# Allegro board IMX7D EVK BOARD REV D_160314.brd (continued)
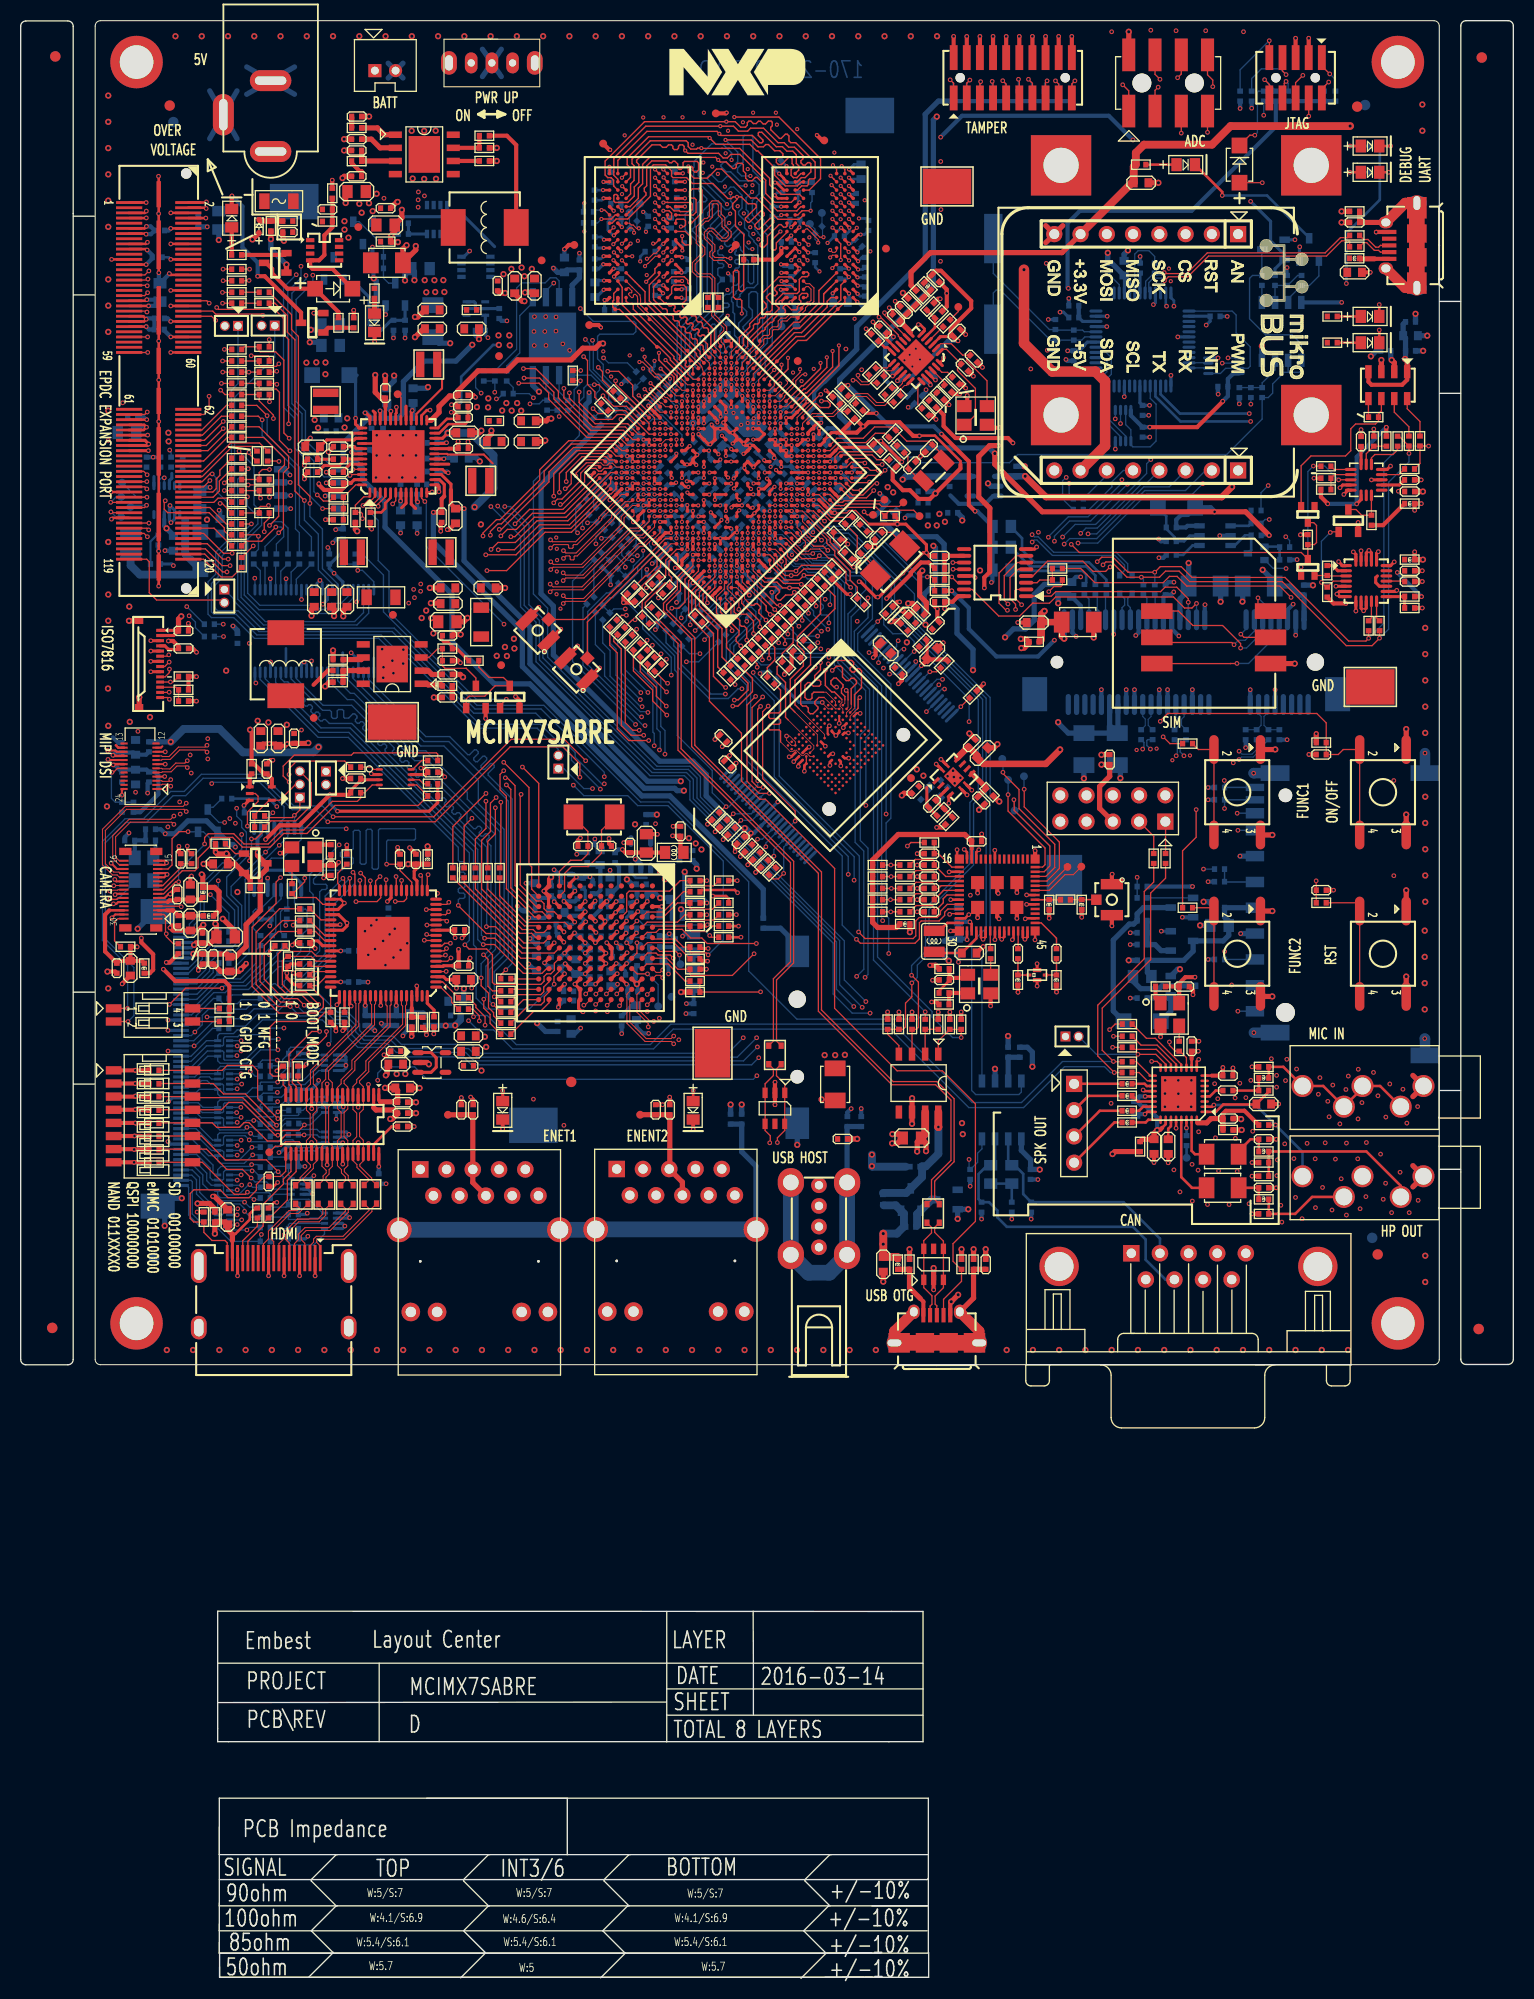
[diagram p0: board, top side]
## Routing (per net, layer and track width the routed paths; a pad name or vN(x,y) marks a point on that pad's centre or on a via; arc(x,y) is an arc through that point) (continued)
N21114148: length 5.2
  BOTTOM w0.203: U43.11 13.39,139.69 R625.2 13.19,139.61 12.56,138.98 R624.1
N21201870: length 5.5
  L3_INT_1 w0.127: v1(14.41,147.82) 14.41,145.66 v1(13.89,145.14)
  BOTTOM w0.127: U43.2 13.39,144.89 13.64,145.14 v1(13.89,145.14) U43.3 ; R628.1 14.55,147.69 v1(14.41,147.82)
N21457603: length 4.6
  BOTTOM w0.305: 43.98,161.51 Q35.2 R615.2 ; 43.98,161.51 43.98,162.05 43.86,162.16 Q35.6 ; 43.98,161.51 Q35.5
N21457781: length 12.4
  L3_INT_1 w0.305: v1(45.2,158.69) 45.2,165.3 v1(43.42,167.07)
  BOTTOM w0.305: Q35.3 44.94,160.85 R616.1 44.94,158.95 v1(45.2,158.69) ; v1(43.42,167.07) 42.87,166.53 Q34.4
N21736604: length 2.7
  BOTTOM w0.104: J8.23 112.53,122.04 112.28,121.79 112.28,121.21 R124.2
N21822744: length 1.8
  TOP w0.127: U45.6 38.57,115.93 38.96,115.55 R640.1
N21830226: length 1.6
  TOP w0.305: v1(53.59,102.17) 53.58,102.18 53.58,102.19 U31.J4
  BOTTOM w0.305: R642.2 53.36,101.95 v1(53.59,102.17)
N21831023: length 3.2
  TOP w0.305: U31.J3 52.6,104.17 v1(52.54,104.17)
  BOTTOM w0.406: R494.2 53.61,104.17 v1(52.54,104.17) 52.54,104.71 R643.2
N21832184: length 1.6
  TOP w0.406: U31.H4 v1(54.61,103.16)
  BOTTOM w0.406: R494.1 54.31,103.46 v1(54.61,103.16)
N21917857: length 6.2
  TOP w0.127: J30.19 9.36,117.04 8.98,116.66 v1(8.83,116.66)
  BOTTOM w0.127: v1(8.83,116.66) 8.77,116.6 8.77,114.14 9.16,113.76 C457.1 R631.2

## Copper pours and planes (outline as drawn; the poured copper is in the pictures)
5VIN on TOP: 25.83,172.77 25.83,170.62 26.03,170.41 26.03,167.65 25.87,167.48 25.26,167.48 24.98,167.2 24.98,166.46 25.13,166.31 28.54,166.31 28.54,168.93 29.25,169.64 29.25,171.9 28.14,173.01 26.06,173.01
5VIN_DC_JACK on TOP: 20.56,177.51 20.56,175.33 21.7,174.19 21.7,171.16 22.04,170.82 24.76,170.82 25.06,171.12 25.06,172.92 26.73,174.59 26.73,178.49 26.14,179.07 22.12,179.07
AVDDL_ENET on BOTTOM: 53.24,94.21 52.49,93.47 51.73,93.47 51.52,93.26 51.52,92.4 51.55,92.37 53.55,92.37 54.62,93.44 54.62,94.15 56.02,95.55 56.02,96.18 55.82,96.39 55.69,96.39 55.66,96.41 54.22,96.41 53.24,95.43
GND on BOTTOM (solid shape): 70.04,152.26 70.04,151.17 70.37,150.84 70.62,150.84 71.31,151.53 71.41,151.53 71.49,151.45 71.49,150.63 72.11,150.01 72.11,149.83 71.87,149.59 71.87,149.4 71.98,149.28 71.97,149.27 71.97,149.14 71.51,148.68 71.31,148.68 71.15,148.84 71.15,148.86 70.98,149.11 70.67,149.08 69.91,149.08 68.31,150.68 68.2,150.68 68,150.88 67.86,150.88 67.57,150.59 67.57,150.54 67.55,150.5 67.51,150.49 67.1,150.49 66.93,150.66 66.65,150.66 66.23,150.23 65.9,150.23 65.39,150.75 65.37,150.77 65.36,150.79 65.35,150.81 65.35,151.07 65.51,151.22 65.62,151.22 65.82,151.02 66.23,151.02 67.91,152.7 68.11,152.7 68.59,152.22 69.02,152.22 69.53,152.72 69.58,152.72
GND on TOP: 37.47,173.56 37.79,173.24 40.14,173.24 40.55,173.65 40.55,179.39 40.08,179.86 37.73,179.86 37.47,179.6
GND on TOP: 111.64,78.83 111.64,81.68 111.52,81.81 111.52,82.59 111.8,82.87 112.1,82.87 112.41,82.57 114.46,82.57 114.87,82.98 114.87,86.33 115.3,86.76 116.75,86.76 116.83,86.84 116.83,88.51 117.61,89.3 135.83,89.3 136.57,88.55 136.57,73.41 135.8,72.64 113.7,72.64 111.21,75.13 111.21,78.4
GND on TOP: 66.38,151.83 66.38,151.17 67.19,150.36 67.47,150.36 68.03,150.92 68.03,151.12 68.54,151.12 70.67,148.99 70.67,148.79 71.08,148.38 71.77,148.38 72.1,148.71 72.1,151.28 71.74,151.63 70.93,151.63 69.68,152.88 67.42,152.88
GND on TOP: 80.33,87.47 80.33,89.38 79.77,89.94 77.2,89.94 76.91,89.65 76.91,87.71 77.47,87.14 80.01,87.14
GND on TOP: 70.39,84.17 70.39,93.29 69.86,93.82 64.38,93.82 62.42,91.87 58.89,91.87 57.06,93.69 54.6,93.69 54.11,94.18 50.74,94.18 49.62,93.06 44.87,93.06 43.59,91.78 43.59,87.66 42.02,86.1 42.02,84.55 42.19,84.38 44.12,84.38 44.44,84.07 44.44,83.03 46.01,81.45 67.68,81.45
GND on TOP: 34.3,130.14 34.3,124.22 33.21,123.13 33.21,119.73 33.79,119.14 39.81,119.14 40.25,119.58 40.25,122.47 37.48,125.24 37.48,130.14
GND on TOP: 77.06,160.53 74.38,157.85 74.38,155.21 74.61,154.98 76.74,154.98 78.17,156.41 79.87,156.41 81.14,157.68 81.14,159.48 87.41,165.75 89.8,165.75 93.64,161.92 93.64,156.99 96.54,154.08 99.66,157.19 99.66,167.23 100.98,168.55 100.98,174.44 97.42,178 83.17,178 81.33,176.16 81.33,171.43 81.8,170.96 81.8,162.29 80.05,160.53
GND on TOP: 136.36,127.27 136.57,127.06 136.57,122.1 136.14,121.67 127.63,121.67 127.35,121.94 127.35,126.83 127.8,127.27
GND on BOTTOM: 56.87,149.99 57.97,151.1 58.33,151.1 59.28,150.15 59.29,150.11 59.28,150.08 58.68,149.48 58.68,149.46 58,148.79 57.52,148.79 56.87,149.43
GND on BOTTOM: 52.89,85.39 46.16,85.39 46.16,79.8 52.89,79.8
GND on BOTTOM: 59.52,140.72 59.35,140.54 58.75,140.54 58.26,141.03 58.26,141.31 58.6,141.65 58.64,141.67 58.67,141.65 58.86,141.65 59.52,140.99
GND on BOTTOM: 54.71,144.18 54.27,144.62 54.27,147.39 55.22,148.34 55.88,148.34 57.34,146.88 57.34,146.5 55.02,144.18
GND on BOTTOM: 33.61,150.02 33.61,144.46 33.77,144.29 39.28,144.29 39.44,144.46 39.44,150.05 39.31,150.18 33.77,150.18
GND on BOTTOM: 107.17,108.78 107.17,102.79 104.94,100.55 104.94,92.45 102.93,90.44 93.51,90.44 93.13,90.82 93.13,98.8 93.79,99.46 93.79,101.39 92.77,101.39 91.5,100.12 91.5,90.52 83.88,98.14 83.88,102.41 83.3,102.99 83.3,117.34 86.89,120.94 92.14,120.94 93.36,119.72 93.36,115.21 98.97,109.59 106.36,109.59 ; 1 cut-out
GND on BOTTOM: 7.84,111.58 7.84,188.72 86.14,188.72 86.96,187.9 86.96,158.59 80.89,152.52 77.84,152.52 75.91,154.45 75.91,156.81 79.84,160.75 81.93,160.75 82.97,161.79 82.97,175.86 81.75,177.08 73.6,177.08 71.23,179.44 67.75,179.44 64.5,176.19 52.79,176.19 47.7,171.1 43.31,171.1 42.94,171.47 42.94,173.07 42.38,173.63 37.83,173.63 37.53,173.32 37.53,171.04 37.27,170.78 33.97,170.78 33.13,171.62 32.17,171.62 13.6,153.05 13.6,150.29 13.11,149.79 13.11,147.61 12.64,147.14 11.7,147.14 10.78,146.22 10.78,140.86 10.58,140.66 9.51,140.66 9.33,140.48 9.33,136.34 10.76,134.92 13.55,134.92 13.88,134.59 13.88,120.74 12.46,120.74 11.62,119.91 11.62,119.5 11.54,119.42 9.66,119.42 9,118.76 9,117.8 9.69,117.11 11.97,117.11 12.69,116.4 12.69,115.16 11.99,115.16 11.99,114.26 9.05,111.32 8.1,111.32 ; 3 cut-outs
GND on BOTTOM: 17.49,102.61 17.49,110.31 16.5,111.3 10.37,111.3 8.67,109.59 8.67,105.96 8.69,105.95 8.69,102.16 9.41,101.44 16.32,101.44
GND on BOTTOM: 55.6,143.28 55.59,143.32 55.6,143.35 56.22,143.97 56.25,143.98 56.29,143.97 57.06,143.2 57.54,143.2 58,142.74 58,142.61 57.84,142.45 57.82,142.43 57.21,141.82 57.14,141.79 57.07,141.82
GND on BOTTOM: 29.69,149.38 29.79,149.48 29.79,151.43 29.55,151.66 28.03,151.66 27.72,151.35 27.72,149.8 28.15,149.38
GND on BOTTOM: 113.6,72.74 111.21,75.13 108.16,75.13 104.76,78.53 104.76,86.45 105.29,86.99 107.15,86.99 109.51,89.35 131.3,89.35 132.73,87.93 135.7,87.93 136.57,87.05 136.57,74.07 135.24,72.74
GND on L4_PWR_1: 9.73,59.99 7.84,61.87 7.84,77.48 8.73,78.36 9.08,78.36 16.74,70.71 28,70.71 37.58,80.28 102.34,80.28 115.24,93.19 115.24,98.74 116.48,99.98 120.71,99.98 121.96,101.23 121.96,175.12 109.85,187.23 53.17,187.23 49.66,183.72 42.91,183.72 40.03,180.85 21.68,180.85 18.14,177.31 13.42,177.31 9.43,173.32 9.43,158.42 10.86,156.99 10.86,103.7 11.31,103.24 11.31,97.78 8.62,95.09 8.16,95.09 7.84,95.41 7.84,188.63 9.09,188.63 9.18,188.72 134.46,188.72 136.53,186.65 136.53,62.11 134.41,59.99
GND on L5_PWR_2: 93.75,150.87 93.75,177.67 84.85,186.57 53.8,186.57 43.31,176.08 39.17,176.08 35.98,179.27 35.98,186.02 35.27,186.73 29.68,186.73 27.98,185.03 27.98,175.06 26.94,174.02 21.79,174.02 17.9,177.91 8.87,177.91 7.84,178.94 7.84,188.72 127.32,188.72 127.41,188.63 127.41,152.7 124.66,149.95 94.66,149.95
GND on L5_PWR_2: 8.17,59.99 7.84,60.32 7.84,76.61 8.51,77.28 9.31,77.28 12.65,73.94 29.23,73.94 35.34,80.04 80.83,80.04 82.59,78.29 89.52,78.29 90.4,77.4 90.4,75.39 91.43,74.36 119.43,74.36 121.38,76.31 121.38,88.12 135.68,102.42 136.57,102.42 136.57,60.24 136.32,59.99
GND on L5_PWR_2: 85.36,148.21 85.36,148.56 83.15,150.78 83.15,158.03 82.84,158.34 81.69,158.34 74.93,151.57 74.93,151.37 74.92,151.37 74.92,150.76 75.92,149.77 75.92,148.29 75.1,147.48 75.1,147.19 75.57,146.72 76.49,146.72 77.4,145.81 77.84,145.81 78.08,146.05 78.08,146.92 79.09,147.93 85.08,147.93
VDD_1P2_CAP on L3_INT_1: 65.3,143.08 65.66,142.73 67.05,142.73 67.55,143.23 68.88,143.23 69.14,143.49 69.76,143.49 71.56,145.29 71.97,145.29 72.22,145.54 72.22,145.87 71.96,146.13 69.55,146.13 69.31,145.9 67.22,145.9 65.3,143.98
VDD_ARM_IN on TOP: 35.3,131.66 35.66,131.29 36.45,131.29 37.82,132.66 38.04,132.66 38.52,133.14 38.85,133.14 39.3,133.59 39.3,135.09 39.16,135.23 35.6,135.23 35.3,134.93
VDD_ARM_IN on L5_PWR_2: 45.42,139.07 48.27,139.07 50.28,141.09 60.66,141.09 60.85,141.28 60.85,141.92 61.27,142.34 61.27,143.41 60.54,144.14 60.54,145.09 61.64,146.19 61.64,148.68 61.64,148.69 61.64,150.22 61.26,150.6 60.38,150.6 57.45,153.52 56.23,153.52 52.54,149.83 51.5,149.83 46.24,144.57 40.25,144.57 34.03,138.35 34.03,133.99 35.42,132.6 38.94,132.6
VDD_LPSR_IN on L5_PWR_2: 75.19,145.44 75.19,145.13 80.58,139.74 81.06,139.74 84.32,143.01 84.32,143.59 83.68,144.23 78.32,144.23 76.48,146.07 75.82,146.07
VDD_SOC_IN on BOTTOM (solid shape): 70.07,148.59 70.66,148.59 70.71,148.56 70.85,148.41 70.85,148.16 69.91,147.22 69.86,147.22 68.67,148.42 68.67,148.46 68.11,149.02 68.09,149.05 68.1,149.08 67.79,149.51 67.58,149.03 67.59,149.01 67.58,148.97 66.78,148.17 66.38,148.17 65.38,149.17 65.38,149.47 65.49,149.59 65.51,149.6 65.53,149.6 65.71,149.63 65.84,149.76 65.85,149.78 65.88,149.78 65.99,149.78 66.72,150.51 66.86,150.51 67.04,150.34 67.09,150.34 67.12,150.33 67.14,150.31 67.4,150.19 67.65,150.34 67.65,150.35 67.72,150.41 67.72,150.53 67.92,150.73 67.93,150.73
VDD_SOC_IN on TOP: 43.71,130.43 43.71,128.31 43.78,128.24 44.41,128.24 44.84,127.81 44.84,126.89 45.52,126.22 48.21,126.22 49.45,127.46 49.45,128.25 47.27,130.43
VDD_SOC_IN on L5_PWR_2: 45.41,127.16 50.62,121.95 66.26,121.95 80.57,136.25 80.57,138.9 74.62,144.84 74.62,145.65 74.86,145.89 74.86,146.63 74.09,147.39 72.54,147.39 71.39,148.54 70.57,148.54 68,151.1 67.12,151.1 65.23,149.21 65.23,147.76 65.63,147.36 65.63,144.89 64.74,144 63.6,144 62.04,145.57 61.6,145.57 60.86,144.82 60.86,144.28 61.74,143.39 61.74,142.49 61.38,142.14 61.38,140.76 61.59,140.55 62.99,140.55 63.82,141.38 65.25,141.38 65.31,141.44 65.32,141.44 65.58,141.69 65.8,141.69 68.15,144.04 69.19,144.04 70.76,142.46 70.76,141.53 69.22,139.98 69.22,137.17 69.21,137.17 69.21,137.01 68.92,136.72 68.92,136.21 63.41,130.7 60.57,130.7 60.29,130.42 46.66,130.42 45.41,129.18
VDDA_1P8 on BOTTOM: 85.57,142.98 86.14,142.41 86.8,142.41 87.08,142.69 87.08,143.91 86.89,144.1 84.78,144.1 84.35,144.53 83.49,144.53 83.43,144.47 83.43,143.99 84.43,142.98
VDDA_1P8 on L4_PWR_1: 73.68,143.57 73.97,143.28 85.22,143.28 85.51,143.58 85.51,144.71 83.39,146.83 75.64,146.83 73.68,144.88
VDDA_ADC_1P8 on BOTTOM: 86.75,146.02 86.75,145.05 86.22,144.52 84.95,144.52 84.52,144.95 83.76,144.95 82.69,143.88 80.66,143.88 80.55,143.99 79.39,143.99 78.78,143.38 78.75,143.38 77.68,144.44 77.68,146.07 78.19,146.58 80.15,146.58 80.15,145.66 80.28,145.54 81.16,145.54 81.39,145.76 81.15,146.01 81.15,146.79 81.65,147.29 82.82,147.29 83.68,146.42 86.35,146.42
VDDA_ADC_1P8 on L5_PWR_2: 78.48,144.82 79.05,144.25 81.13,144.25 81.8,144.93 83.56,144.93 84.23,144.25 85.61,144.25 86.08,144.73 86.08,146.84 85.46,147.46 78.96,147.46 78.48,146.99
VDDA_PHY_1P8 on BOTTOM (solid shape): 74.83,147.28 74.83,147.17 74.23,146.58 74.08,146.58 72.71,147.95 72.31,147.95 72.04,148.22 72.04,148.4 72.46,148.82 72.52,148.82 72.72,149.03 73.08,149.03
VDDA_PHY_1P8 on L6_INT_2: 66.39,143.5 67.33,142.56 68.94,142.56 71.04,144.66 71.04,145.2 72.54,146.7 74.51,146.7 74.82,147.01 74.82,147.42 74.81,147.43 74.81,147.95 73.03,149.73 71.74,149.73 67.45,145.45 67.45,145.16 66.39,144.1
VDDD_1P0_CAP on L5_PWR_2: 62.02,146.35 63.85,144.52 64.85,144.52 65.4,145.07 65.4,149.77 66.82,151.19 68.38,151.19 70.57,149 71.47,149 73.23,147.24 74.14,147.24 75.58,148.68 75.58,149.41 74.62,150.37 73.31,150.37 68.5,155.17 67.62,155.17 62.02,149.57
ACCL_3V3 on TOP: 133.42,142.32 134.09,142.32 134.09,144.09 131.22,144.09 131.1,143.97 131.11,143.96 131.11,143.58 131.2,143.48 132.97,143.48 133.26,143.19 133.26,142.48
BAT_IN on BOTTOM: 42.32,172.95 42.2,173.07 38.31,173.07 38.19,172.94 38.19,171.04 38.42,170.81 42.23,170.81 42.32,170.9 ; 3 cut-outs
BAT_IN on L5_PWR_2: 31.41,174.77 35.79,170.39 41.48,170.39 41.79,170.71 41.79,174.59 41.39,175 39.03,175 35.17,178.86 35.17,185.92 34.95,186.14 30.02,186.14 28.66,184.78 28.66,176.04 29.93,174.77
DDR_VREF on L5_PWR_2: 73.63,150.92 73.37,150.92 68.69,155.6 67.68,155.6 62.62,150.54 62.07,150.54 55.6,157.02 55.6,176.69 59.09,180.18 76.69,180.18 77,179.87 82.57,174.3 82.57,159.86
DEBUG_V50 on TOP: 109,151.8 108.88,151.92 108.86,151.92 104.46,156.33 100.95,156.33 100.11,157.17 100.11,165.32 102.15,167.36 109.4,167.36 109.83,166.93 109.83,163.79 110.07,163.54 113.22,163.54 115.5,165.83 127.16,165.83 127.9,166.57 128.48,166.57 128.65,166.4 128.65,163.86 126.4,161.61 126.4,157.57 123.89,155.06 116.72,155.06 113.46,151.8
ENET_1V0 on BOTTOM: 59.5,110.89 60.21,110.18 60.21,109.57 60.46,109.31 61.25,109.31 61.38,109.44 61.38,110.23 61.35,110.25 61.76,110.66 61.76,111.83 61.63,111.96 59.14,111.96 58.91,111.73 58.91,111.2 59.23,110.89
ENET_1V0 on BOTTOM: 49.9,99.61 49.87,99.59 49.36,99.59 49.29,99.51 49.29,98.75 49.41,98.62 51.34,98.62 51.42,98.7 51.55,98.7 51.62,98.77 51.62,99.05 51.98,99.41 52.06,99.41 53.07,100.42 53.07,101.21 52.82,101.47 52.19,101.47 51.84,101.12 51.85,101.1 51.85,100.65 51.62,100.42 50.86,100.42 50.81,100.37 50.81,99.69 50.74,99.61
ENET_1V0 on L3_INT_1: 49.96,91.7 54.05,95.79 55.14,95.79 57.19,97.83 62.14,97.83 62.44,98.14 62.93,97.66 62.93,95.88 62.83,95.78 62.83,94.46 64.02,93.26 64.4,93.26 66.56,95.42 66.56,108.17 62.8,111.93 53.76,111.93 47.87,106.04 47.87,92.58 48.74,91.7
ENET_3V3 on BOTTOM: 60.29,107.98 60.29,105.47 60.37,105.38 63.18,105.38 63.27,105.47 63.27,106.48 64.24,107.45 64.24,108.19 63.99,108.44 60.74,108.44
ENET_3V3 on BOTTOM: 55.82,99.74 55.82,96.74 55.99,96.56 56.32,96.56 56.58,96.82 57.82,96.82 57.97,96.97 57.97,97.4 57.24,98.14 57.03,98.14 56.81,98.37 56.81,99.28 56.17,99.92 55.99,99.92
ENET_3V3 on L6_INT_2: 46.71,106.56 46.71,93.27 49.27,90.71 59.98,90.71 62.76,93.49 63.44,93.49 66.81,96.87 66.81,104.97 64.19,107.6 47.74,107.6
FUSE_FSOURCE on L6_INT_2: 72.74,146.06 72.74,145.27 75.19,142.82 81.37,142.82 83.67,140.52 86.05,140.52 86.7,141.17 86.7,142.7 83.11,146.3 72.98,146.3
GYRO_3V3 on TOP: 131.13,136.13 131.13,135.6 131.22,135.51 133,135.51 133.08,135.59 134.05,135.59 134.15,135.7 134.15,137.7 134.02,137.84 133.52,137.84 133.28,137.59 133.28,136.71 132.86,136.29 131.29,136.29
HDMI_5V on L6_INT_2: 28.54,71.88 32.81,71.88 36.03,75.1 36.03,77.29 36.02,77.3 36.02,78.36 35.42,78.96 32.93,78.96 31.56,77.59 26.76,77.59 22.46,73.3 18.2,73.3 17.71,72.81 17.71,72.26 17.73,72.24 17.73,71.71 18.93,70.5 27.16,70.5
HDMI_CVCC12 on BOTTOM: 29.28,104.45 29.28,95.36 30.85,93.8 36.52,93.8 36.59,93.87 39.24,93.87 40.24,92.87 41.48,92.87 41.49,92.88 41.64,92.88 41.77,93 41.77,95.8 42.75,96.78 42.75,103.7 42.68,103.7 41.67,104.72 29.55,104.72
HDMI_IOVCC on L5_PWR_2: 28.03,99.03 31.81,95.25 42.84,95.25 43.71,96.12 43.71,103.22 38.56,108.37 32,108.37 28.03,104.4
HDMI_V12 on TOP: 40.66,87.89 40.75,87.8 42.14,87.8 42.15,87.81 42.79,87.81 42.89,87.9 42.89,87.93 42.99,88.03 42.99,92.12 42.36,92.76 41.13,92.76 40.67,92.29 40.67,89.37 40.66,89.36
LEDA on TOP: 10.32,118.99 10.32,119.75 11.04,120.47 11.04,122.19 10.68,122.55 8.93,122.55 8.75,122.37 8.75,119.07 8.83,118.99
LEDA on BOTTOM: 16.9,139.01 17.66,139.01 17.68,139.02 19.35,139.02 19.59,139.26 19.59,140.13 19.52,140.2 18.43,140.2 18.35,140.28 18.35,142.56 18.25,142.67 16.85,142.67 16.78,142.59 16.78,139.13
LEDK on TOP: 12.23,118.97 12.05,119.14 13.47,119.14 13.47,119.35 12.05,119.35 12.05,119.96 11.92,120.08 11.92,122.29 12.1,122.47 13.47,122.47 14.49,121.46 14.49,119.32 14.13,118.97
MAIN_PWR on TOP: 46.19,172.59 46.19,167.18 44.77,165.75 44.77,164.22 45.05,163.94 50.93,163.94 51.24,164.25 51.24,172.69 50.92,173.01 46.61,173.01
MAIN_PWR on BOTTOM: 47.83,163.06 48.75,163.98 49.29,163.98 49.89,164.59 49.89,167.39 49.48,167.81 45.18,167.81 44.43,167.06 44.43,161.89 47.45,161.89 47.83,162.27 ; 3 cut-outs
MEM_3V3 on TOP: 89.01,116.05 89.01,116.12 86.72,118.41 85.48,118.41 85.01,117.94 85.01,116.12 85.4,115.73 86.33,115.73 87.28,114.78 87.74,114.78
MEM_3V3 on BOTTOM: 85.71,117.09 85.71,114.85 86.85,113.71 87.11,113.71 89.42,116.02 89.42,116.48 87.82,118.08 86.7,118.08
MEM_3V3 on L5_PWR_2: 65.93,111.53 70.81,106.65 93.71,106.65 106.11,94.24 109.75,94.24 115.56,100.04 115.56,108.74 114.93,109.36 102.15,109.36 98.37,113.14 98.37,116.63 87.6,127.41 86.53,127.41 81.87,122.74 81.87,121.83 81.86,121.83 81.86,121.17 80.69,120 79.48,120 78.96,120.51 78.63,120.51 78.15,120.02 78.15,118.52 75.34,115.71 66.68,115.71 65.93,114.96
MPCIE_1V5 on L5_PWR_2: 99.78,133.57 99.78,132.08 100.85,131.02 123.07,131.02 123.97,131.91 123.97,134.01 122.05,135.93 102.15,135.93 99.8,133.57
MPCIE_3V3 on L3_INT_1: 93.11,135.01 93.11,127.55 99.75,120.91 117.65,120.91 120.9,124.16 120.9,136.66 120.11,137.45 107.77,137.45 106.4,136.08 94.17,136.08
NVCC_1V8 on TOP: 45.5,150.2 45.56,150.26 45.56,152.96 45.31,153.22 44.75,153.22 43.85,152.32 43.85,150.38 44.03,150.2
NVCC_1V8 on L4_PWR_1: 68.38,142.38 68.38,141.67 70.29,139.77 75.13,139.77 75.54,140.19 78.32,140.19 78.84,140.7 84.56,140.7 87.62,137.64 93.21,137.64 93.93,136.91 93.93,117.53 95.86,115.61 95.86,113.52 84.51,102.17 84.51,97.07 85.1,96.48 87.83,96.48 88.67,97.32 88.67,100.33 95.18,106.83 101.4,106.83 102.82,108.26 102.82,114.83 98.29,119.37 98.29,138.36 93.75,142.9 72.36,142.9 72.01,142.55 71.11,141.65 70.59,141.65 69.96,142.29 69.96,142.6 69.85,142.72 68.72,142.72
NVCC_1V8 on L5_PWR_2: 28.65,146.01 28.65,131.36 31.03,128.97 40.94,128.97 41.18,129.22 41.19,129.22 48.45,136.47 60.15,136.47 61.01,137.33 64.31,137.33 66.5,139.52 67.85,139.52 70.17,141.84 70.17,142.63 69.33,143.47 68.31,143.47 65.71,140.87 64.01,140.87 63.15,140.01 61.44,140.01 60.78,140.67 50.91,140.67 48.78,138.53 45.99,138.53 39.46,132.01 35.08,132.01 33.44,133.66 33.44,138.68 39.44,144.69 39.44,147.77 40.39,148.73 43.72,148.73 45.54,150.55 45.54,153.71 41.54,157.71 41.54,165.12 40.03,166.63 19.5,166.63 14.07,172.06 11.96,172.06 11.72,171.82 11.72,165.33 20.71,156.34 34.65,156.34 35.62,155.37 35.62,152.99
NVCC_3V3 on TOP: 36.27,89.01 36.27,87.86 36.08,87.67 36.08,87.22 36.26,87.04 37.3,87.04 37.47,87.21 37.47,89.05 37.67,89.24 38.76,89.24 38.99,89.47 38.99,90.03 38.42,90.59 36.64,90.59 36.51,90.47 36.51,89.26
NVCC_3V3 on BOTTOM: 89.7,83.33 89.7,76.07 89.88,75.89 91.1,75.89 91.1,80.1 91.6,80.61 91.6,82.9 91.17,83.33
NVCC_3V3 on L4_PWR_1: 42.94,145.48 62.18,145.48 64.29,147.59 67.04,147.59 70.36,144.27 70.36,144.22 71.67,142.91 71.67,142.73 70.99,142.04 70.73,142.04 70.49,142.28 70.49,142.88 70.1,143.27 68.69,143.27 67.9,142.49 67.9,141.56 67.67,141.33 67.67,140.15 66.05,138.52 66.05,137.19 68.79,134.45 78.29,134.45 80.52,136.68 81.67,136.68 84.56,133.78 91.59,133.78 92.67,134.86 93.17,134.86 93.43,134.59 93.43,117.04 93.44,117.04 93.44,116.98 95.06,115.36 95.06,113.36 83.95,102.25 83.95,96.88 84.77,96.05 103.44,96.05 107.22,99.82 113.86,99.82 114.85,98.83 114.85,93.45 102.14,80.75 37.43,80.75 27.82,71.14 18.01,71.14 9.17,79.98 9.17,92.89 9.24,92.95 9.24,94.78 10.6,96.15 20.76,96.15 25.49,100.88 25.49,112.01 24.49,113.01 24.49,113.46 24.71,113.68 24.72,113.68 26.36,115.32 27.61,115.32 41.64,129.36 41.64,132.94 40.93,133.65 27.67,133.65 25.02,136.3 25.02,155.56 32.88,163.42 32.88,166.27 36.92,170.31 36.92,173.63 36.19,174.37 26.37,174.37 24.58,172.58 17.23,172.58 13.12,168.47 13.12,158.59 12.46,157.93 10.76,157.93 9.93,158.76 9.93,171.58 9.93,171.58 9.93,173.23 13.55,176.85 18.71,176.85 22.21,180.35 38.81,180.35 40.79,178.37 40.79,168.42 38,165.62 38,161.21 38.56,160.65 40.49,160.65 41.19,159.94 41.19,147.22
NVCC_DRAM on BOTTOM (solid shape): 71.19,151.87 71.2,151.86 71.21,151.83 71.22,151.8 71.21,151.77 71.2,151.75 71.19,151.72 71.15,151.7 71.12,151.66 71.09,151.62 71.07,151.6 70.64,151.16 70.29,151.5 70.29,151.83 70.49,152.03 70.49,152.11 69.43,153.16 69.14,153.16 68.82,152.85 68.82,152.85 68.55,152.57 68.49,152.57 68.08,152.98 67.85,152.98 66.21,151.33 65.92,151.33 65.26,151.99 65.26,152.1 65.36,152.1 66.86,153.6 67.9,153.6 67.9,153.57 67.91,153.52 67.92,153.48 67.94,153.43 67.97,153.39 68.01,153.36 68.05,153.33 68.09,153.31 68.14,153.3 68.19,153.29 68.24,153.29 68.29,153.3 68.33,153.32 68.38,153.35 68.41,153.38 68.45,153.41 68.47,153.46 68.49,153.5 68.5,153.55 68.51,153.6 68.5,153.65 68.49,153.69 68.47,153.74 68.45,153.78 68.41,153.82 68.38,153.85 68.33,153.87 68.29,153.89 68.24,153.9 68.19,153.9 68.14,153.9 68.09,153.88 68.05,153.86 68.01,153.83 67.97,153.8 67.94,153.76 67.92,153.72 67.91,153.67 67.9,153.62 67.9,153.6 66.86,153.6 67.97,154.72 68.34,154.72
NVCC_DRAM on TOP: 44.08,160.57 44.2,160.45 44.74,160.45 44.96,160.23 44.96,156.84 45.35,156.46 46.85,156.46 47.92,157.52 47.92,160.24 45.72,162.44 44.27,162.44 44.08,162.25
NVCC_DRAM on L4_PWR_1: 72.18,150.16 68.51,153.83 67.91,153.83 65.03,150.95 42.41,150.95 41.83,151.53 41.83,160.45 42.1,160.72 49.89,160.72 53.47,164.29 53.47,171.39 63.14,181.06 75.8,181.06 82.53,174.32 82.53,159.58 74.94,151.99 73.11,150.16
NVCC_SD1 on L4_PWR_1: 66.7,137.56 66.7,137.15 68.75,135.1 78.19,135.1 80.43,137.34 81.76,137.34 84.99,134.11 91.63,134.11 93.41,135.89 93.41,136.7 93.01,137.1 89.26,137.1 87.65,135.49 86.19,135.49 83.14,138.54 79.79,138.54 77.9,136.66 69.76,136.66 69.74,136.68 69.52,136.68 67.22,138.98 67.07,138.98 66.61,138.52 66.61,137.65
NVCC_SD1 on L5_PWR_2: 115.2,116.33 103.92,116.33 93.47,126.78 93.47,136.3 92.9,136.87 91.36,136.87 90.42,135.93 90.42,135.08 88.84,133.5 88.84,127.12 99.34,116.62 99.34,113.04 102.2,110.18 115.16,110.18 115.64,110.67 115.64,115.89
NVCC_SD1 on L5_PWR_2: 21.91,139.34 21.93,139.32 21.93,128.81 25.12,125.62 43.47,125.62 44.88,127.03 44.88,129.17 46.79,131.07 63.07,131.07 68.62,136.62 68.62,137.97 67.58,139.01 66.57,139.01 64.44,136.88 61.28,136.88 60.37,135.96 48.71,135.96 41.34,128.59 30.73,128.59 27.78,131.54 27.78,146.67 34.87,153.76 34.87,155.19 34.23,155.83 23,155.83 21.91,154.74
NVCC_SD2 on L4_PWR_1: 74.4,137.17 74.4,137.16 77.39,137.16 79.23,139 83.27,139 86.53,135.73 87.34,135.73 87.82,136.21 87.82,136.7 84.36,140.16 79.04,140.16 78.68,139.81 75.68,139.81 75.27,139.39 70.16,139.39 68.87,140.69 68.48,140.69 67.84,140.04 67.84,139.19 69.85,137.17
NVCC_SD3 on TOP: 84.03,126 86.3,128.26 86.3,129.05 87.34,130.09 88.23,130.09 88.35,130.22 88.35,130.73 87.67,131.41 86.75,131.41 85.56,130.22 85.05,130.22 84.53,130.74 82.85,130.74 81.85,131.74 80.96,131.74 80.3,131.08 80.3,128.77 83.07,126
NVCC_SD3 on L5_PWR_2: 75.6,116.34 88.21,128.95 88.21,131.18 87.9,131.49 86.9,131.49 86.4,130.98 82.71,130.98 80.12,133.57 79.13,133.57 66,120.43 66,117.72 67.38,116.34
NVCC_SD3 on L6_INT_2: 68.86,141.14 71.57,138.43 73.56,138.43 74.3,139.18 74.3,140.04 71.62,142.72 69.66,142.72 68.86,141.93
PERI_3V3 on TOP: 20.65,125.57 20.65,120.35 20.83,120.17 25.6,120.17 25.79,120.36 28.31,120.36 28.84,120.89 28.84,124.94 27.97,125.81 27.95,125.81 27.6,126.16 21.23,126.16
PERI_3V3 on BOTTOM: 14.77,148.15 15.05,147.87 15.05,147.16 15.14,147.07 16.59,147.07 16.72,147.21 16.72,148.81 15.56,149.98 14.11,149.98 13.65,149.52 13.65,148.56 14.06,148.15
PERI_3V3 on BOTTOM: 63.32,110.07 63.32,108.86 65.42,108.86 65.81,108.47 66.29,108.47 66.51,108.68 66.51,109.1 65,110.61 63.86,110.61
PERI_3V3 on BOTTOM: 20.61,120.47 20.81,120.26 22.21,120.26 22.39,120.44 22.39,124.91 22.19,125.11 22.19,127.55 22.45,127.82 29.69,127.82 30.29,127.22 34.28,127.22 34.43,127.37 34.43,128.36 33.17,129.62 21.82,129.62 21.45,129.25 20.64,129.25 20.61,129.23
PERI_3V3 on L3_INT_1: 21.68,129.66 21.68,128.87 22.34,128.21 25.16,128.21 31.08,134.13 31.08,136.01 30.77,136.32 24.93,136.32 22.63,134.02 22.63,130.61
PERI_3V3 on L5_PWR_2: 15.18,103.89 26.49,103.89 31.59,108.98 38.83,108.98 44.42,103.39 44.42,94.46 46.46,92.42 95.56,92.42 99.49,88.49 103.84,88.49 107.19,85.14 107.19,78.91 106.43,78.15 100.1,78.15 99.01,79.23 91.13,79.23 90.71,78.81 90.71,75.53 91.64,74.59 119.36,74.59 120.97,76.2 120.97,88.3 136.2,103.53 136.2,175.91 131.66,180.46 128.33,180.46 128,180.13 128,178.33 126.87,177.2 126.87,152.09 123.8,149.02 94.68,149.02 94.04,148.38 94.04,127.04 104.16,116.92 115.88,116.92 116.26,116.55 116.26,99.55 110.08,93.38 105.74,93.38 93.18,105.95 70.25,105.95 65.15,111.05 65.15,120.23 64.05,121.33 50.26,121.33 46.62,124.96 24.86,124.96 21.51,128.31 21.51,149.85 21.04,150.31 14.13,150.31 13.96,150.13 13.96,105.11
PERI_3V3_LX on TOP: 22.86,128.14 23.15,127.85 28.08,127.85 29.2,128.97 31.25,128.97 31.71,128.52 33.69,128.52 33.83,128.65 33.83,131.53 23.17,131.53 22.86,131.21
PMIC_5V on BOTTOM: 33.18,153.85 31.83,153.85 31.83,153.86 30.75,153.86 30.31,154.3 30.31,160.38 28.8,161.89 28.8,164.8 28.94,164.94 30.54,164.94 30.72,164.76 30.72,163.67 30.87,163.52 32.4,163.52 33.26,162.66 33.26,159.78 33.85,159.2 33.85,156.3 33.84,156.3 33.84,154.51
PMIC_PWR on TOP: 30.83,152.19 31.97,151.05 31.97,150.13 32.64,149.45 32.64,149.41 32.6,149.37 32.24,149.37 32.08,149.21 27.63,149.21 27.44,149.4 27.44,151.83 27.8,152.19
PMIC_PWR on BOTTOM: 30.32,149.24 30.42,149.14 31.1,149.14 31.89,149.93 31.89,151.15 31.46,151.58 30.42,151.58 30.32,151.48
PMIC_PWR on BOTTOM: 43.65,165.93 43.45,166.13 42.07,166.13 41.95,166.26 41.95,169.56 41.79,169.72 39.79,169.72 39.66,169.59 39.66,168.04 38.77,167.15 38.77,161 39.01,160.76 40.35,160.76 41.4,159.71 43.32,159.71 43.65,160.04 ; 4 cut-outs
PMIC_PWR on L3_INT_1: 26.22,156 26.22,158.13 23.54,160.82 23.54,165.24 22.66,166.12 19.44,166.12 16.86,163.55 16.86,154.21 14.84,152.18 14.84,148.88 13.94,147.99 11.67,147.99 9.36,150.31 9.36,170.41 10.03,171.09 27.82,171.09 27.84,171.08 30.12,171.08 33.95,167.25 43.41,167.25 45.65,165.01 45.65,150.98 42.1,147.43 42.1,144.88 39.52,142.3 31.22,142.3 31.22,142.35 30.78,142.79 30.78,151.44 30.85,151.5 30.85,151.65 30.89,151.65 31.59,152.35 31.59,152.52 31.39,152.72 29.5,152.72
